# Altium PCB IPG.PcbDoc (part 9 of 10) (continued)
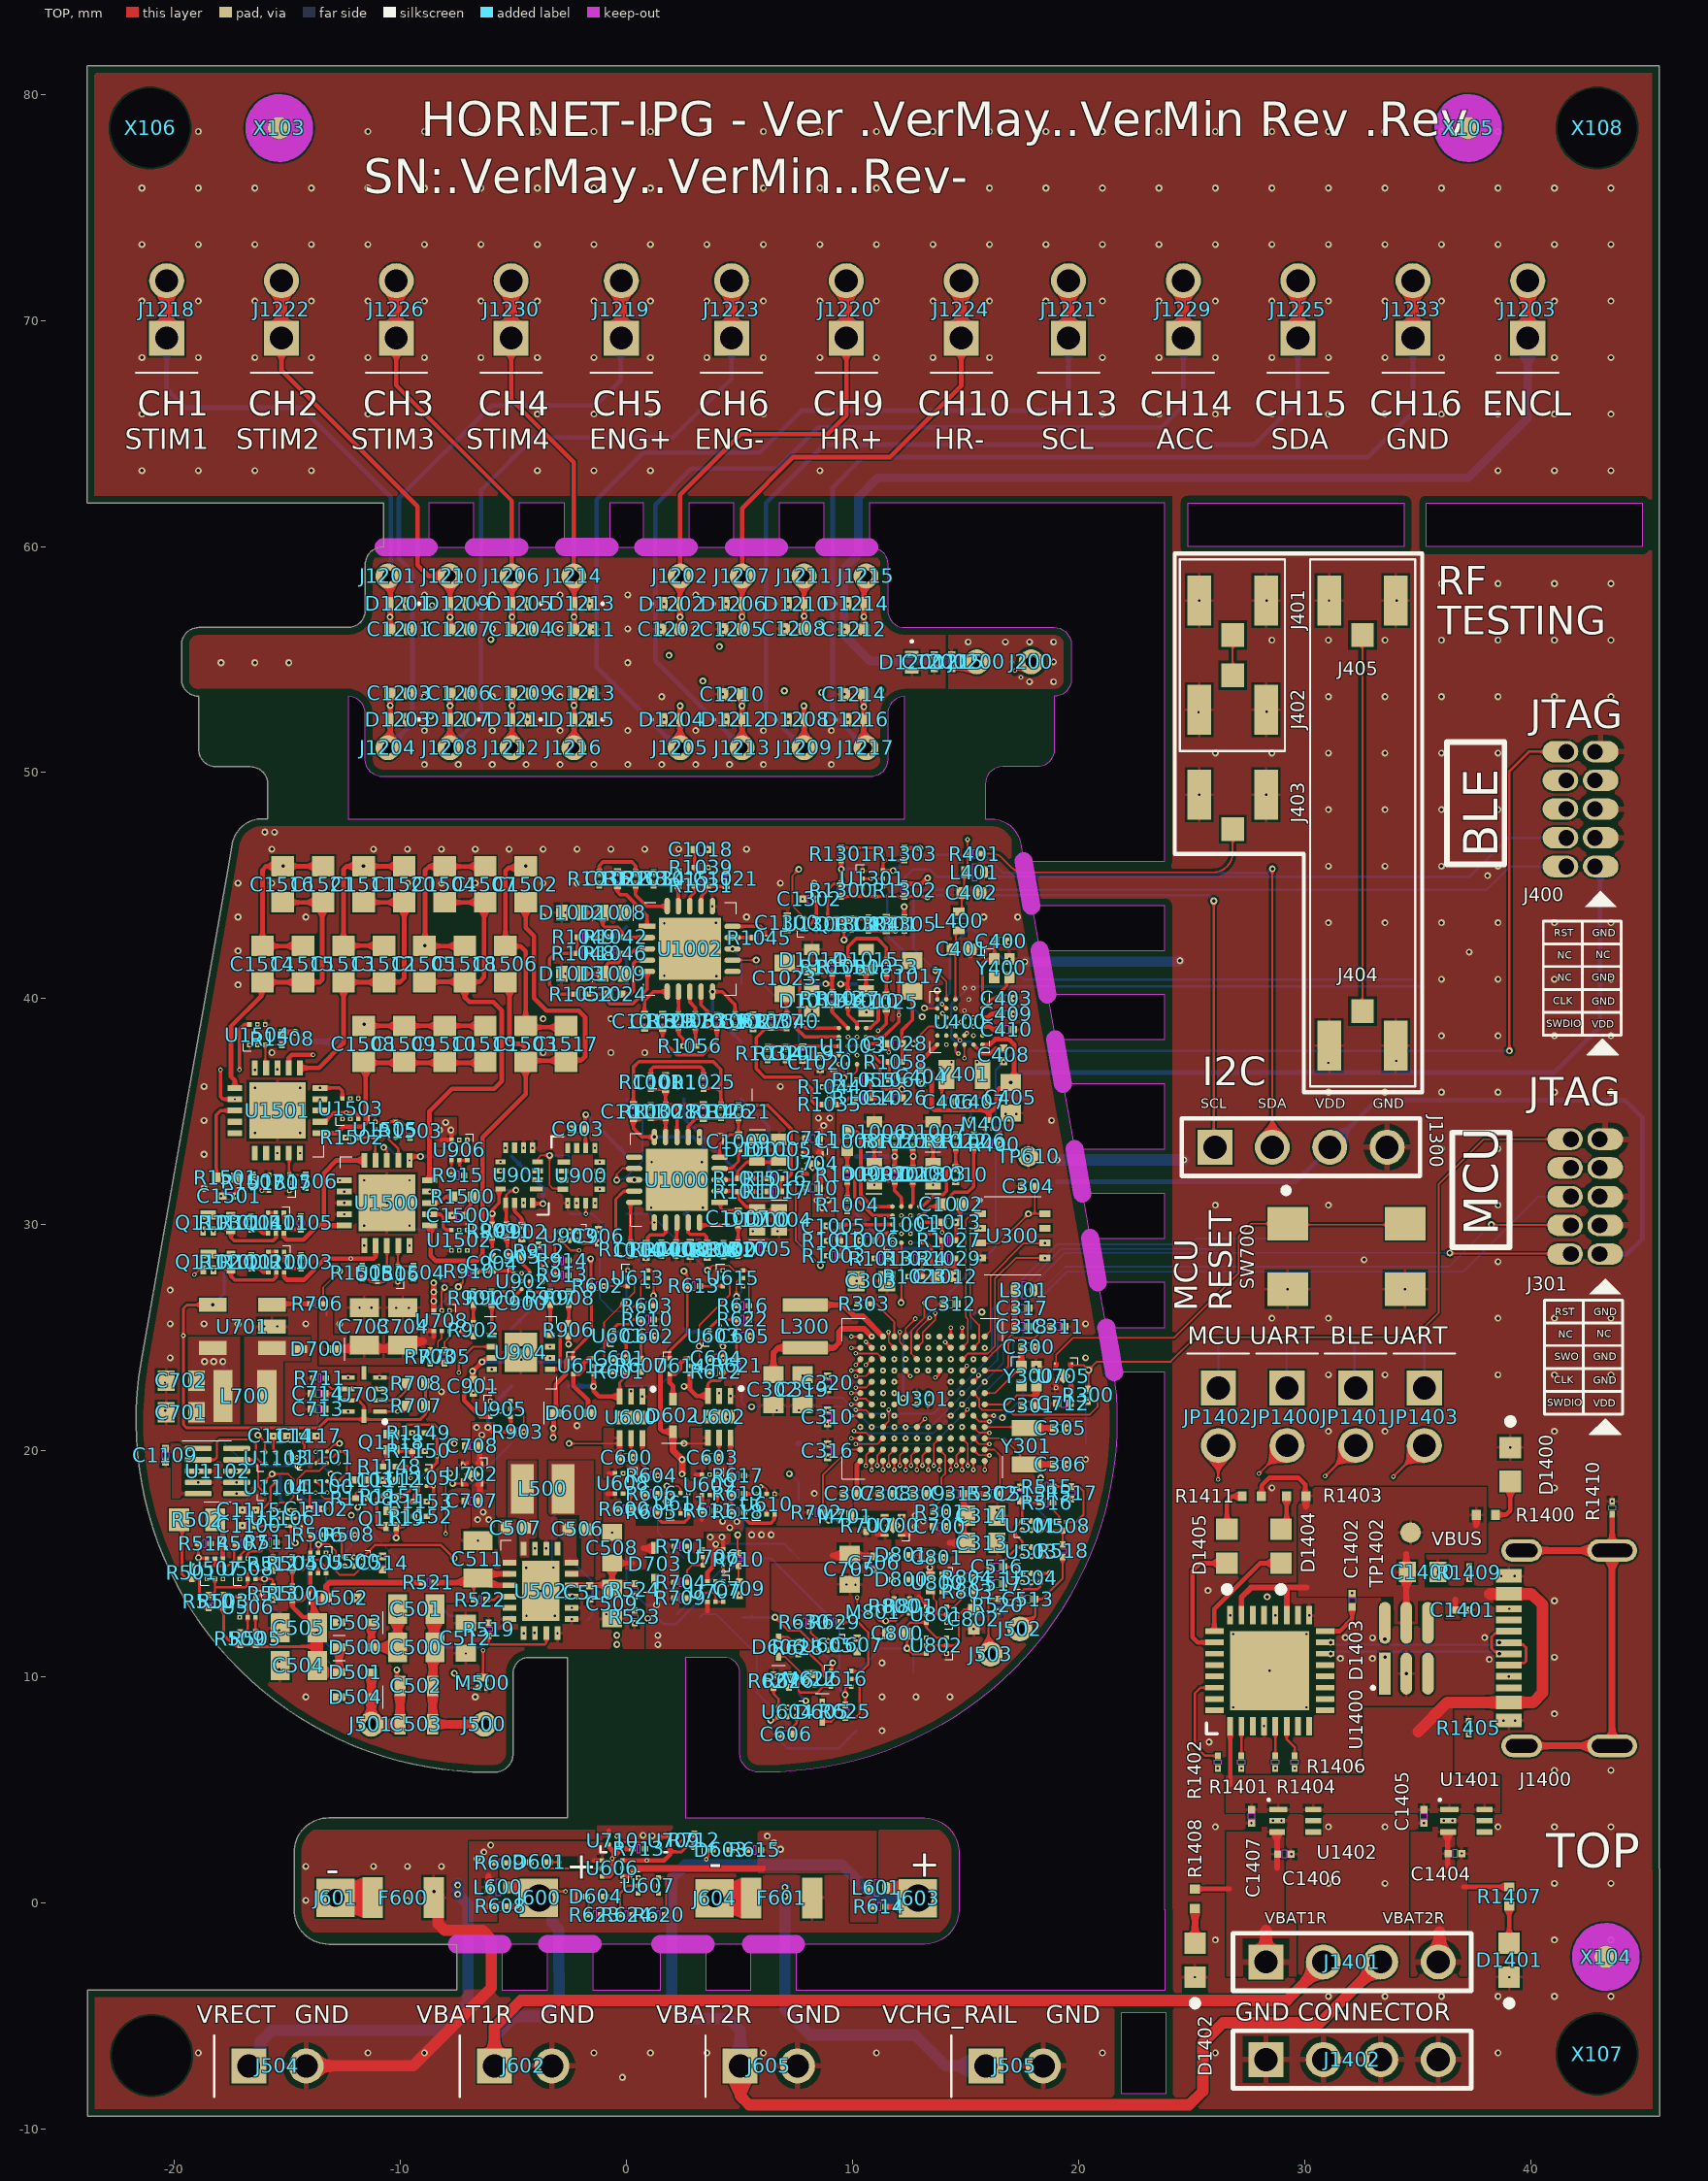
[diagram p0: TOP view]
## Nets (pads, with @x,y where several pads share a name; then routed paths per layer and width w, separated by ;. In a path a pad name is that pad's centre, name@x,y a point inside that pad or via, vN(x,y) a via of type N, cw(c..) or ccw(c..) an arc to the next point about the centre after c; other vN are vias at no path point) (continued)
STIMB: TP1501.1 U901.15 U1500.6 U1500.16 U1501.20 | length 20.5
  TOP w0.203: v1(-9.6,32.848) -9.6,32.992 -9.572,33.02 -9.119,33.02 v6(-9.116,33.017)
  DVERT w0.102: v2(-4.25,30.961) v3(-4.25,31.291)
  DVERT w0.203: v3(-14.138,32.84) v2(-14.138,33.171) ; v3(-11.295,28.751) v2(-11.295,29.082) ; v3(-9.905,32.521) v2(-9.905,32.852)
  AVERT w0.203: v8(-14.148,32.131) -14.143,32.136 -14.143,32.835 v3(-14.138,32.84) ; v3(-11.295,28.751) -10.863,29.183 -10.863,31.148 -9.931,32.08 -9.931,32.092 -9.916,32.108 v8@-9.905,32.108 ; v8(-9.906,32.131) v3(-9.905,32.521) ; v3(-4.25,31.291) -4.242,31.3 v8(-4.242,32.131)
  DHOR w0.102: v1(-4.555,30.965) -4.553,30.963 -4.253,30.963 v2@-4.251,30.961
  DHOR w0.203: v1(-14.443,33.167) -14.441,33.169 -14.142,33.169 v2@-14.14,33.171 ; v1(-11.6,29.078) -11.598,29.08 -11.299,29.08 v2(-11.295,29.082) ; v2@-9.904,32.852 -9.902,32.85 -9.602,32.85 v1(-9.6,32.848)
  AHOR w0.203: v8(-14.148,32.131) v8(-4.242,32.131)
  BOT w0.152: v6@-9.119,33.02 -7.832,33.02 -7.762,32.949 -7.691,33.02 TP1501.1@-7.62,33.02
STIMB_SEL: R1505.2 U1500.8 U1506.6 | length 2.7
  TOP w0.102: R1505.2@-11.691,27.604 -11.69,27.605 -11.451,27.605 -11.309,27.463 U1506.6@-11.016,27.463 -10.739,27.463 -10.6,27.601 U1500.8@-10.6,29.078
STIMB_SELn: U301.H11 U1506.2 | length 26.8
  TOP w0.076: v1(10.144,22.792) 10.151,22.799 10.599,22.799 U301.H11@10.85,23.05
  DVERT w0.076: v2(-10.066,23.124) -10.084,23.142 -10.084,27.516 v2(-9.789,27.811)
  DHOR w0.076: v1@-10.116,27.812 v2@-9.79,27.812 ; v2(-10.066,23.124) -10.057,23.132 6.829,23.132 7.486,23.789 9.141,23.789 9.6,23.33 v1@10.138,22.792
  other v1: -10.116,27.813
SW1_VCHG: C507.2 L500.1 U502.20
SW2_VCHG: C506.2 L500.2 U502.15
SWCLK: J301.4 TP301.1 U301.C11 | length 39.1
  TOP w0.076: v1(10.068,20.88) 10.102,20.88 10.181,20.801 10.599,20.801 U301.C11@10.85,20.55 ; v6(38.265,30.006) 38.282,29.989 41.766,29.989 J301.4@41.783,29.972
  DVERT w0.102: v2@10.417,20.669 v8(10.423,20.664) 10.423,20.363 v3@10.428,20.357
  AVERT w0.102: v8(10.423,20.664) 10.426,20.661 10.426,20.36 v3@10.428,20.357
  DHOR w0.076: v1(10.068,20.88) 10.254,20.694 10.394,20.694 v2(10.419,20.669)
  AHOR w0.102: v12(10.114,20.665) v8@10.422,20.664
  BOT w0.076: TP301.1@10.16,20.32 11.076,20.32 13.537,20.3 13.569,20.3 17.109,23.84 17.109,25.848 19.405,28.143 36.398,28.143 v6@38.265,30.01
  other v3: 10.419,20.333
SWDIO: J301.2 TP300.1 U301.C10 | length 49.4
  TOP w0.076: v1(10.141,20.3) 11.1,20.3 U301.C10@11.35,20.55 ; v6(36.424,28.749) 36.447,28.725 41.76,28.725 J301.2@41.783,28.702
  DHOR w0.076: v6(5.537,21.946) 6.177,21.946 6.602,21.52 9.154,21.52 9.399,21.276 9.399,20.795 9.6,20.594 9.894,20.3 v1(10.141,20.3)
  BOT w0.076: TP300.1@5.08,22.86 5.101,22.839 5.101,22.153 5.308,21.946 v6(5.537,21.946) 9.564,21.946 10.731,20.779 13.568,20.779 16.669,23.88 16.669,26.03 19.392,28.753 v6@36.424,28.753
SWO: J301.6 TP305.1 U301.C6 | length 37
  TOP w0.076: v1(13.35,20.55) U301.C6@13.358,20.55
  DVERT w0.076: v2(13.566,20.777) 13.591,20.753 13.777,20.753 13.854,20.676 15.841,20.676 16.6,21.434 v6(16.628,21.462)
  DHOR w0.076: v1(13.35,20.55) 13.351,20.556 v2@13.564,20.77
  BOT w0.076: TP305.1@15.24,20.32 15.24,20.337 16.35,21.447 16.55,21.447 16.6,21.497 v6@16.628,21.525 ; v6(16.628,21.462) 16.628,21.498 v6@16.628,21.525 ; J301.6@41.783,31.242 40.351,31.242 37.023,27.915 20.834,27.915 20.486,27.915 19.482,27.915 17.551,25.984 17.551,22.386 16.691,21.525 v6@16.628,21.525
SYS_RSTn: J301.10 R300.2 TP712.1 U301.G2 U705.1 | length 41.2
  TOP w0.076: U301.G2@15.35,22.55 15.601,22.299 15.601,21.941 15.741,21.8 16.9,21.8 17.1,21.6 20.5,21.6 20.84,21.94 20.84,22.61 20.669,22.78 R300.2@20.392,22.78 ; 19.739,23.781 20.238,23.781 v6(20.447,23.571) ; R300.2@20.417,22.78 20.447,22.81 v6(20.447,23.571) ; J301.10@41.783,33.782 37.922,33.782 35.941,31.801 35.941,26.111 34.849,25.019 25.159,25.019 24.081,23.941 20.817,23.941 v6(20.447,23.571)
  BOT w0.076: TP712.1@20.32,20.32 20.32,23.382 20.447,23.509 v6(20.447,23.571)
TEMP_EN: C515.2 C516.2 C517.2 R515.1 R516.2 TP508.1 U301.J3 U501.A2 U503.A2 U504.A2 | length 16.8
  TOP w0.102: U301.J3@14.85,23.55 14.896,23.55 15.031,23.685 15.031,23.69 15.062,23.722 v1(15.062,23.749) ; C517.2@16.683,14.122 C516.2@16.683,14.859 ; C515.2@17.45,17.785 C515.2@17.508,17.727 ; U504.A2@17.51,14.573 17.462,14.573 17.462,14.622 17.225,14.859 C516.2@16.683,14.859 ; R516.2@18.306,17.704 17.942,17.704 17.866,17.78 17.572,17.78 17.531,17.739 17.531,17.704 C515.2@17.508,17.727 ; R516.2@18.313,17.704 R515.1@18.313,18.415 ; R515.1@18.324,18.362 v6(18.324,18.797) ; C516.2@16.683,14.859 16.683,15.113 17.302,15.732 U503.A2@17.517,15.732 17.517,15.993 17.221,16.288 17.221,16.601 U501.A2@17.508,16.888 C515.2@17.508,17.727
  DVERT w0.102: v2(15.721,19.591) 16.516,18.797 v6(18.324,18.797)
  DHOR w0.102: v1(15.062,23.749) 15.062,23.339 15.721,22.68 v2(15.721,19.591)
  BOT w0.102: TP508.1@17.78,20.32 18.324,19.776 v6(18.324,18.797)
THERM.OFST: TP512.1 U301.H2 U504.A1 U504.C2 | length 18.3
  TOP w0.102: U301.H2@15.35,23.05 15.562,23.262 15.562,23.32 v1(15.581,23.339) ; v1(18.31,14.573) v6(18.745,14.573)
  DVERT w0.102: v3(15.921,22.952) 15.934,22.965 15.934,23.452 v2(15.947,23.465)
  AVERT w0.102: v8(15.717,14.855) 15.733,14.871 15.733,16.731 15.921,16.919 15.921,18.8 v3(15.921,22.952)
  DHOR w0.102: v1@15.588,23.339 15.714,23.465 v2(15.947,23.465) ; v1(17.51,14.173) 17.91,14.573 v1(18.31,14.573)
  AHOR w0.102: v8(15.717,14.855) 15.998,14.573 v6(18.745,14.573)
  BOT w0.102: TP512.1@15.24,12.7 16.561,12.7 18.434,14.573 v6(18.745,14.573)
THERM.OUT: TP511.1 U301.G3 U503.A1 U503.C2 | length 14.2
  TOP w0.102: U503.C2@18.32,15.731 v6(18.755,15.731)
  DVERT w0.102: v3@15.067,23.071 15.072,23.065 15.072,22.764 v2@15.078,22.759
  AVERT w0.102: v3(15.067,23.101) 15.241,22.927 15.241,18.8 v8(15.241,15.741)
  DHOR w0.102: v1@14.851,22.556 v1(14.85,22.55) 14.856,22.551 15.07,22.764 v2@15.075,22.764 ; v1@17.517,15.339 17.91,15.732 v1(18.317,15.732)
  AHOR w0.102: v8(15.241,15.741) 15.245,15.736 18.75,15.736 v6(18.755,15.731)
  BOT w0.102: TP511.1@17.78,15.24 18.271,15.731 v6(18.755,15.731)
  other v1: 17.51,15.332
  other v2: 15.077,22.766
THERM.REF: TP509.1 U301.F3 U501.A1 U501.C2 | length 12.3
  TOP w0.102: v1(18.308,16.888) U501.C2@18.325,16.905 ; U501.C2@18.311,16.887 v6(18.745,16.887)
  DVERT w0.102: v3@14.623,21.966 v2(14.623,22.266)
  AVERT w0.102: v3(14.613,21.935) 14.613,21.915 14.977,21.551 14.977,18.8 v8(14.977,16.878)
  DHOR w0.102: v2@14.63,22.264 14.844,22.051 v1@14.849,22.051 ; v1(17.517,16.486) 17.919,16.888 v1(18.308,16.888)
  AHOR w0.102: v8(14.977,16.878) 14.981,16.883 18.741,16.883 v6(18.745,16.887)
  BOT w0.102: TP509.1@17.78,17.78 17.816,17.78 18.709,16.887 v6(18.745,16.887)
  other v1: 14.85,22.05
THERM_IN: C513.2 J502.1 R518.2 U503.C1 | length 5.1
  TOP w0.102: J502.1@17.5,12.146 17.528,12.146 18.085,12.703 18.085,13.436 18.39,13.437 19.3,14.347 19.3,15.244 19.212,15.332 U503.C1@18.317,15.332
THERM_OFST_IN: C513.1 J503.1 R520.1 U504.C1 | length 5.3
  TOP w0.076: U504.C1@18.31,14.173 U504.C1@18.321,14.173
  TOP w0.102: J503.1@16.1,11 16.013,11.087 16.013,13.32 16.109,13.416 R520.1@16.434,13.416 ; R520.1@16.434,13.445 16.463,13.416 16.739,13.416 17.404,13.416 C513.1@17.425,13.437 ; C513.1@17.455,13.437 17.455,13.733 17.595,13.873 18.188,13.873 18.31,13.995 U504.C1@18.31,14.173
THERM_REF_IN: M508.3 R518.1 U501.C1 | length 1.7
  TOP w0.076: U501.C1@18.308,16.488 19.253,16.488 19.3,16.535 R518.1@19.3,15.894
UFL: J403.1 R401.1 | length 13
  TOP w0.084: R401.1@15.678,46.409 16.18,46.409 cw(c16.18,45.798) 16.612,46.23 17.043,45.799 ccw(c17.554,46.309) 17.554,45.587 25.953,45.587 ccw(c25.953,46.457) 26.822,46.457 J403.1@26.822,47.497
USB_N: D1403.6 J1400.A7 J1400.B7 U1400.15 | length 10.1
  TOP w0.11: J1400.B7@39.037,10.513 39.132,10.608 39.622,10.608 39.72,10.608 39.802,10.69 39.802,11.296 39.68,11.418 39.132,11.418 J1400.A7@39.037,11.513
  BOT w0.097: v11(31.153,11.518) 31.21,11.518 31.307,11.421 32.072,11.421 32.075,11.417 33.314,11.417 33.553,11.657 v11(33.553,11.659) 33.555,11.659 33.796,11.417 35.724,11.417 35.726,11.415 38.467,11.415 38.565,11.513 v11(38.621,11.513)
USB_P: D1403.1 J1400.A6 J1400.B6 U1400.14 | length 9.6
  TOP w0.11: v11(38.621,11.013) 38.526,11.108 38.424,11.108 38.278,11.254 38.278,11.772 38.424,11.918 38.942,11.918 J1400.B6@39.037,12.013
  BOT w0.097: v11(31.153,11.018) 31.21,11.018 31.307,11.116 31.945,11.116 31.948,11.112 33.314,11.112 v11(33.556,10.871) v11(33.556,10.871) 33.556,10.873 33.796,11.112 35.598,11.112 35.6,11.11 38.467,11.11 38.565,11.013 v11(38.621,11.013)
VBUFF_IN+: C905.1 R912.2 TP910.1 U902.A3 | length 5.6
  TOP w0.152: C905.1@-4.628,28.575 C905.1@-4.603,28.55 ; U902.A3@-4.288,27.847 -4.293,27.852 -4.293,27.966 -4.603,28.276 C905.1@-4.603,28.55 ; v6(-3.632,28.067) -3.854,28.289 -3.854,28.513 R912.2@-3.886,28.545 -4.598,28.545 C905.1@-4.603,28.55
  BOT w0.152: TP910.1@-5.08,25.4 -3.378,27.102 -3.378,27.813 v6(-3.632,28.067)
VBUFF_IN-: C904.1 R910.2 TP907.1 U902.A1 | length 3.1
  TOP w0.152: R910.2@-6.68,27.929 -6.643,27.965 v6(-6.298,27.965) -5.953,27.965 C904.1@-5.944,27.975 -5.934,27.965 -5.106,27.965 U902.A1@-4.988,27.847
  BOT w0.152: TP907.1@-7.62,27.94 -7.607,27.953 -6.311,27.953 v6(-6.298,27.965)
VCC_CHG: C512.1 R519.1 U502.5 U502.6
VCHG_DISABLE: M500.1 TP515.1 U301.E12 | length 32.3
  TOP w0.076: v1(9.951,21.55) U301.E12@10.35,21.55
  TOP w0.102: v6(-7.62,10.16) -6.976,9.516 M500.1@-6.55,9.516
  DVERT w0.076: v2(-8.061,21.973) -8.181,21.853 -8.181,10.721 v6(-7.62,10.16)
  DHOR w0.076: v2(-8.061,21.973) 5.113,21.973 5.415,22.276 9.055,22.276 9.781,21.55 v1(9.951,21.55)
VCHG_PGOOD: R523.1 R524.2 TP514.1 U301.E11 U502.13 | length 31.4
  TOP w0.076: R523.1@0.356,12.931 v1(0.356,13.565) ; v1(10.144,21.808) 10.151,21.801 10.599,21.801 U301.E11@10.85,21.55
  DVERT w0.076: v2@-2.87,22.19 -2.87,14.02 v6(-2.4,13.55)
  DHOR w0.076: v2(-2.871,22.191) -2.864,22.184 5.084,22.184 5.328,22.428 9.118,22.428 9.71,21.836 9.86,21.836 9.861,21.834 10.036,21.834 10.038,21.832 10.12,21.832 v1(10.144,21.808) ; v6(-2.4,13.55) -2.348,13.55 -2.241,13.657 0.247,13.657 0.354,13.55 v1@0.36,13.55
  BOT w0.076: TP514.1@-2.54,17.78 -3.302,17.018 -3.302,14.452 v6(-2.4,13.55)
VDAC1_BUF: Q1118.2 R1150.2 TP1105.1 U1105.B1 | length 5.3
  TOP w0.102: -9.842,19.989 -9.842,21.019 -9.703,21.158 -8.484,21.158 -7.645,20.32 v6(-7.624,20.32)
  TOP w0.152: Q1118.2@-10.177,20.039 -10.177,19.991 -10.175,19.989 -9.842,19.989 R1150.2@-9.527,19.989 ; R1150.2@-9.502,19.989 -9.487,19.974 -9.487,19.748 -9.202,19.464 U1105.B1@-9.202,19.139
VDAC2_BUF: Q1119.2 R1153.2 TP1109.1 U1105.B3 | length 8.2
  TOP w0.152: v6(-10.192,16.143) -10.189,16.147 Q1119.2@-10.189,16.643 ; Q1119.2@-10.189,16.648 -9.878,16.648 -9.789,16.738 -9.789,17.665 -9.699,17.754 R1153.2@-9.399,17.755 ; R1153.2@-9.399,17.755 -9.399,18.033 -9.207,18.225 -9.207,18.434 U1105.B3@-9.202,18.439
  BOT w0.102: v6(-10.192,16.143) -11.303,17.254 -11.303,19.177 TP1109.1@-10.16,20.32
VDACA: R1149.1 TP1104.1 U1103.4 U1105.A1 | length 13.9
  TOP w0.152: U1103.4@-15,19.931 -14.98,19.931 -14.765,19.716 -14.595,19.716 v1(-14.585,19.706) ; R1149.1@-8.922,20.789 -8.611,20.789 -8.38,20.558 v1(-8.38,19.763) -8.38,19.484 -8.719,19.144 -8.847,19.144 U1105.A1@-8.852,19.139
  DVERT w0.152: v2(-15.01,19.708) v3(-15.01,20.039) ; v2(-8.685,19.759) v3(-8.685,20.09)
  AVERT w0.152: v3(-15.01,20.039) -15.006,20.035 v8@-15.006,19.706 ; v8(-15.002,19.702) -15.01,19.702 -15.002,19.694 -15.002,19.338 -14.892,19.229 -14.892,19.226 -14.694,19.028 v8(-14.694,19.018) ; v8(-8.687,19.71) v3@-8.687,20.091
  DHOR w0.152: v2@-14.996,19.711 -14.993,19.707 -14.586,19.707 v1(-14.585,19.706) ; v2(-8.685,19.759) -8.682,19.761 -8.382,19.761 v1(-8.38,19.763)
  AHOR w0.152: v12(-15.239,19.014) -15.237,19.016 -14.696,19.016 v8(-14.694,19.018) ; v8(-15.002,19.702) -14.997,19.706 -8.691,19.706 v8(-8.687,19.71)
  BOT w0.152: TP1104.1@-15.24,17.78 -15.26,17.8 -15.316,17.856 -15.316,18.923 -15.239,19 v12(-15.239,19.014)
VDACB: R1152.1 TP1107.1 U1104.4 U1105.A3 | length 13.1
  TOP w0.152: U1105.A3@-8.852,18.439 -8.536,18.439 v1(-8.534,18.437) -8.534,17.232 -8.623,17.143 -8.79,17.143 R1152.1@-8.839,17.094
  DVERT w0.102: v3(-8.839,18.11) v2(-8.839,18.441)
  DVERT w0.152: v3(-14.877,18.214) -14.838,18.253 -14.838,18.459 -14.696,18.6 v2@-14.696,18.629
  AVERT w0.152: v3(-14.877,18.214) -14.838,18.253 -14.838,18.449 -14.691,18.596 v8(-14.691,18.623) ; v8(-8.847,18.618) -8.843,18.614 -8.843,18.114 v3(-8.839,18.11)
  DHOR w0.102: v2@-8.837,18.441 -8.835,18.439 -8.536,18.439 v1(-8.534,18.437)
  DHOR w0.152: v12(-15,18.625) v12(-15,18.625) -14.698,18.627 v2@-14.696,18.629
  AHOR w0.152: v12@-14.999,18.624 v8(-14.691,18.623) ; v8(-14.691,18.623) -8.852,18.623 v8(-8.847,18.618)
  BOT w0.152: v12(-15,18.625) -14.732,18.357 -14.732,18.348 -14.164,17.78 TP1107.1@-12.7,17.78
  other v1: -15,18.625
  other v2: -14.695,18.629
VDD11: C302.2 L300.1 U301.B4 U301.M11 | length 14.5
  TOP w0.254: C302.2@6.5,23.375 6.5,24.34 6.712,24.551 L300.1@7.912,24.552 ; L300.1@7.912,24.552 9.178,24.551 9.398,24.771 9.398,25.251 9.547,25.4 10.511,25.4 10.842,25.069 10.842,25.062 10.847,25.057 U301.M11@10.85,25.057
  DHOR w0.152: v1(10.85,25.05) 10.85,23.449 10.594,23.194 10.594,20.917 11.236,20.275 12.935,20.275 13.159,20.05 v1(14.35,20.05)
VDDA_EN: TP714.1 U301.K9 U704.3 | length 15.4
  TOP w0.076: 7.928,32.271 7.862,32.338 U704.3@7.786,32.338 7.605,32.338 7.493,32.226 7.493,29.286 8.055,28.724 v6(8.585,28.194) ; v1(11.849,24.052) v1(11.849,24.052)
  DVERT w0.076: v2(11.622,24.269) 11.622,24.287 11.532,24.377 11.532,28.218 11.676,28.362 v2(11.676,28.379)
  DHOR w0.076: v6(8.585,28.194) 8.598,28.181 10.971,28.181 11.168,28.379 v2(11.676,28.379) ; v2@11.624,24.267 11.629,24.267 11.842,24.053 v1@11.848,24.053
  BOT w0.076: TP714.1@7.62,30.48 7.62,29.083 8.043,28.66 8.119,28.66 v6(8.585,28.194)
VDDS_EN: TP713.1 U301.A4 U702.3 | length 29.6
  TOP w0.076: v6(-7.692,18.55) -7.294,18.55 -7.277,18.568 U702.3@-7.277,18.599 ; v1(14.35,19.151) U301.A4@14.35,19.55
  DVERT w0.076: v2(-7.722,16.688) -7.707,16.702 -7.707,18.536 v6(-7.692,18.55)
  DHOR w0.076: v2(-7.722,16.688) -7.698,16.664 2.249,16.664 2.984,17.399 5.339,17.399 5.82,16.918 8.377,16.918 8.858,17.399 12.628,17.399 14.029,18.8 14.35,19.121 v1(14.35,19.151)
  BOT w0.076: v6(-7.692,18.55) -7.684,18.542 -6.873,18.542 TP713.1@-5.095,20.32
VDDSMPS: R303.1 U301.M9 | length 2.1
  TOP w0.076: R303.1@10.78,26.5 11.058,26.5 11.758,25.8 11.85,25.708 U301.M9@11.85,25.05
VDET: R509.2 R511.1 U506.2 U506.5 U508.5 | length 4.9
  TOP w0.102: R509.2@-17.094,11.964 -17.094,12.047 -17.019,11.972 -16.911,11.972 -16.767,12.117 U506.5@-16.767,12.638 v1(-16.767,13.538) ; v1(-16.764,15.233) -16.764,15.437 -16.643,15.558 -16.172,15.558 -16.051,15.678 R511.1@-16.051,15.951
  DHOR w0.102: v1(-16.767,13.538) -16.765,13.539 v1(-16.764,15.233) v1(-16.764,15.233)
VDIF_IN+: R907.1 U902.B3 U902.C3 | length 1.3
  TOP w0.152: U902.B3@-4.288,27.497 U902.C3@-4.288,27.147 -4.16,27.019 R907.1@-3.413,27.019
VDIF_IN-: R900.1 U902.B1 U902.C1 | length 1.3
  TOP w0.152: R900.1@-5.863,27.03 -5.105,27.03 U902.C1@-4.988,27.147 U902.B1@-4.988,27.497
VIMC_IN+: R911.2 TP909.1 U901.13 | length 5
  TOP w0.102: U901.13@-5.353,30.963 -5.319,30.997 -5.319,31.31 -5.137,31.492 -4.93,31.492 v6(-4.891,31.531)
  TOP w0.152: U901.13@-5.325,30.934 -5.325,30.014 R911.2@-5.309,29.998
  BOT w0.102: TP909.1@-7.62,30.48 -6.569,31.531 v6(-4.891,31.531)
VIMC_IN-: R909.2 TP908.1 U901.12 | length 6.6
  TOP w0.152: R909.2@-5.944,29.998 -5.944,30.658 -5.639,30.963 -5.639,31.545 -5.602,31.581 U901.12@-5.572,31.581
  BOT w0.102: TP908.1@-10.16,30.48 -9.474,29.794 -6.552,29.794 -5.944,30.403 -5.944,30.485 v6(-5.941,30.488)
VLXSMPS: L300.2 U301.M10 | length 4
  TOP w0.254: L300.2@7.912,26.452 9.573,26.452 10.066,25.959 10.441,25.959 U301.M10@11.35,25.05
VNSb_EN: TP1115.1 U301.A3 U1106.1 | length 34.8
  TOP w0.076: U1106.1@-14.859,16.668 -14.859,16.127 v6(-14.658,15.926) ; v1(14.85,19.151) U301.A3@14.85,19.55
  DHOR w0.076: v6(-14.658,15.926) -14.003,15.271 -12.899,15.271 -12.549,15.622 -5.14,15.622 -4.978,15.459 3.953,15.459 4.47,15.977 13.039,15.977 13.868,16.806 13.868,17.508 14.189,17.828 14.694,17.828 14.85,17.984 v1(14.85,19.151)
  BOT w0.076: TP1115.1@-15.24,15.24 -15.24,15.292 -14.658,15.874 v6(-14.658,15.926)
VOVP: R510.2 R512.1 U507.2 U508.2 | length 4.1
  TOP w0.102: R510.2@-18.491,13.615 -18.431,13.675 -18.297,13.675 -18.212,13.76 -18.212,13.97 ; U507.2@-18.212,14.333 -18.212,13.97 ; R512.1@-15.646,14.706 -16.622,14.706 -16.764,14.564 U508.2@-16.764,14.333 -16.764,14.067 -16.861,13.97 -18.212,13.97
VPP_FB: R706.1 U701.3 U703.6 | length 6.7
  TOP w0.203: U701.3@-15.69,26.45 -15.64,26.5 v1(-13.98,26.5) ; v1(-12.316,23.234) U703.6@-12.316,23.266
  DVERT w0.203: v3(-13.675,26.173) v2(-13.675,26.504) ; v2(-12.621,23.23) v3(-12.621,23.561)
  AVERT w0.203: v3(-13.675,26.173) -13.67,26.168 -13.67,23.906 v8(-13.665,23.901) ; v8(-12.625,23.901) -12.623,23.899 -12.623,23.563 v3(-12.621,23.561)
  DHOR w0.203: v1@-13.978,26.502 -13.678,26.502 v2(-13.675,26.504) ; v2@-12.619,23.23 -12.617,23.232 v1(-12.316,23.234) v1(-12.316,23.234)
  AHOR w0.203: v8(-13.665,23.901) v8(-12.625,23.901)
VPPSW_EN: TP707.1 U301.K12 U708.2 | length 26.5
  TOP w0.076: v1(-8.179,26.206) -8.179,27.04 -8.052,27.167 v6(-8.052,27.229) ; v1(10.142,23.799) 10.35,24.007 U301.K12@10.35,24.05
  DVERT w0.076: v2(-8.522,24.168) -8.515,24.175 -8.515,26.195 v2(-8.509,26.201)
  DHOR w0.076: v2(-8.522,24.168) -6.789,24.168 -6.58,24.377 -6.208,24.377 -5.422,23.59 -2.819,23.59 -2.444,23.965 -1.311,23.965 -0.936,23.59 1.448,23.59 1.823,23.965 2.957,23.965 3.331,23.59 6.603,23.59 7.27,24.257 9.321,24.257 9.6,23.978 9.78,23.799 9.951,23.799 v1(10.142,23.799) ; v2(-8.509,26.201) -8.506,26.203 -8.181,26.203 v1(-8.179,26.206)
  BOT w0.076: TP707.1@-10.16,27.94 -8.519,27.94 -8.052,27.473 v6(-8.052,27.229)
VRECT.DETn: R513.2 TP505.1 U301.E10 U508.3 | length 39.2
  TOP w0.102: U508.3@-16.414,14.333 U508.3@-16.414,14.333 v6@-16.019,14.334 ; R513.2@-15.646,13.971 -15.646,14.273 -15.708,14.335 v6(-16.018,14.335) ; v6@-16.019,14.334 v6(-16.018,14.335)
  DVERT w0.076: v2(10.884,13.297) 10.884,18.8 10.884,21.087 10.928,21.132 10.931,21.132 11.058,21.259 v2(11.093,21.259)
  DHOR w0.076: v6(-16.018,14.335) -15.732,14.048 -4.391,14.048 -3.927,13.584 -2.874,13.584 -2.549,13.909 3.77,13.909 4.382,13.297 v2(10.884,13.297) ; v2(11.093,21.259) 11.093,21.276 11.349,21.532 v1@11.349,21.549
  BOT w0.102: v6(-16.018,14.335) -16.018,13.921 -16.06,13.879 -16.06,13.52 TP505.1@-15.24,12.7
  other v1: 11.35,21.55
VRECT.MON: TP504.1 U301.M3 U500.A1 U500.C2 | length 41.8
  TOP w0.102: v1(-11.665,15.284) U500.A1@-11.665,15.291 -11.132,15.824 -8.204,15.824 v6(-7.62,15.24) ; U301.M3@14.85,25.05 v1@14.85,25.452
  DVERT w0.102: v2(15.099,25.216) v3@15.099,25.584
  AVERT w0.102: v3(15.094,25.559) 15.099,25.559 15.099,25.554 16.524,24.13 16.524,21.845 16.276,21.597 16.276,18.8 16.276,16.656 16.359,16.573 16.359,15.886 16.357,15.884 16.357,15.159 v8(16.366,15.15)
  DHOR w0.102: v1(-12.465,14.891) -12.058,14.891 v1(-11.665,15.284) v1@-11.665,15.291 ; v1@14.85,25.446 v1(14.85,25.449) 14.857,25.449 15.09,25.216 v2(15.099,25.216)
  AHOR w0.102: v6(-7.62,15.24) 16.248,15.24 16.338,15.15 v8(16.366,15.15)
VRECT.MON_EN: C514.2 TP503.1 U301.B11 U500.A2 U505.2 | length 39.5
  TOP w0.076: U505.2@-13.64,15.487 -13.634,15.493 -13.634,15.853 v6(-13.627,15.859) ; v6@-13.633,15.863 -13.619,15.877 -13.175,15.877 -12.857,15.559 -12.857,14.664 -12.705,14.513 -12.043,14.513 U500.A2@-11.665,14.891 -11.511,14.737 C514.2@-10.795,14.737 ; v1@10.599,19.351 10.599,19.799 U301.B11@10.85,20.05
  DVERT w0.076: v2(-3.489,15.975) v2(-3.489,19.279)
  DHOR w0.076: v6(-13.627,15.859) -13.61,15.877 -10.303,15.877 -10.231,15.805 -5.235,15.805 -5.069,15.971 -3.492,15.971 v2(-3.489,15.975) ; v2(-3.489,19.279) -3.475,19.292 10.507,19.292 10.559,19.344 v1@10.592,19.344
  BOT w0.076: v6(-13.627,15.859) -13.645,15.859 -14.1,15.404 -14.1,11.56 TP503.1@-12.7,10.16
  other v1: 10.596,19.326
VRECT.OVPn: R514.2 TP506.1 U301.F11 U507.6 | length 40.9
  TOP w0.076: v1(10.144,22.308) 10.151,22.301 10.599,22.301 U301.F11@10.85,22.05
  TOP w0.102: R514.2@-18.989,15.967 -18.945,15.922 -18.945,15.272 v6(-18.938,15.265) ; v6@-18.938,15.249 -18.578,15.249 U507.6@-18.562,15.233
  DVERT w0.076: v6(-18.938,15.265) -19.317,15.265 -19.837,15.785 -19.837,20.872 v2(-18.386,22.323)
  DHOR w0.076: v2(-18.386,22.323) -18.376,22.312 -11.623,22.312 -11.494,22.441 -11.484,22.45 -10.826,22.45 -10.692,22.316 -6.219,22.316 -6.12,22.415 0.41,22.415 0.614,22.62 1.18,22.62 1.463,22.337 4.206,22.337 4.515,22.645 5.276,22.645 5.491,22.86 8.208,22.86 8.428,23.08 9.043,23.08 9.84,22.284 10.12,22.284 v1(10.144,22.308)
  BOT w0.102: v6(-18.938,15.265) -18.926,15.253 -17.793,15.253 TP506.1@-17.78,15.24
VRECT_MON_IN: R506.2 R508.2 TP513.1 U500.C1 | length 5.7
  TOP w0.1: R506.2@-13.351,16.256 -13.314,16.293 -13.01,16.293 v6(-12.998,16.306) ; v6@-12.998,16.282 -12.997,16.284 R508.2@-12.571,16.284 ; R508.2@-12.599,16.18 -12.599,15.429 -12.465,15.295 U500.C1@-12.465,15.291
  BOT w0.1: v6(-12.998,16.306) -12.998,16.266 -13.29,15.974 -13.29,13.29 TP513.1@-12.7,12.7
VS2_CHG: R519.2 U502.9 | length 3.3
  TOP w0.1: R519.2@-6.1,11.775 -6.1,11.489 -6.041,11.43 -3.624,11.43 -3.55,11.504 U502.9@-3.55,11.925
XL_ACC: C1210.2 C1301.2 D1212.2 J1213.1 J1229.1 J1229.2 R1304.2 | length 67.5
  TOP w0.2: J1213.1@5.114,51.097 v9(5.114,52.953) C1210.2@5.114,53.535 ; R1304.2@10.7,43.02 10.713,43.007 11.493,43.007 C1301.2@11.5,43 11.507,43.007 11.885,43.007 v6(11.894,43.016)
  TOP w0.5: J1229.1@24.638,69.222 J1229.2@24.638,71.762
  GND 2 w0.2: v9(5.114,52.953) 5.114,53.973 cw(c5.448,53.973) 5.448,54.306 11.971,54.306 cw(c11.971,53.377) 12.9,53.377 ; v3(12.62,46.863) 12.9,47.143 12.9,53.373
  AVERT w0.2: v3(12.62,46.863) 12.6,46.843 12.6,46.769 12.595,46.763 12.595,44.252 12.651,44.196 v8(12.651,43.014)
  AHOR w0.2: v6(11.894,43.016) 11.941,43.016 11.942,43.017 12.647,43.017 v8@12.65,43.014
  BOT w0.2: J1213.1@5.114,51.097 5.114,51.139 5.073,51.139 1.27,54.942 1.27,61.849 2.87,63.449 6.655,63.449 8.484,65.278 18.93,65.278 21.7,65.278 23.673,65.278 24.638,66.243 J1229.1@24.638,69.222
XL_GND: C1214.2 C1301.1 D1216.2 J1217.1 J1233.1 J1233.2 R1305.2 | length 62.1
  TOP w0.2: J1217.1@10.357,51.34 ccw(c10.6,51.34) J1217.1@10.39,51.218 ; C1214.2@10.497,53.467 10.502,53.467 D1216.2@10.502,52.345 10.49,52.345 10.49,51.208 ccw(c10.6,51.208) J1217.1@10.6,51.097
  TOP w0.203: C1301.1@11.5,43.6 11.5,43.615 11.525,43.59 R1305.2@12.29,43.59 ; v6(12.29,44.067) 12.295,44.062 12.295,43.588 R1305.2@12.294,43.586
  TOP w0.5: J1233.1@34.798,69.222 J1233.2@34.798,71.762
  POWER w0.2: v9(10.497,52.917) 10.497,53.467 10.491,53.467 10.491,53.842 cw(c10.758,53.842) 10.758,54.109 11.969,54.109 cw(c11.969,53.377) 12.7,53.377 12.7,47.549 v7(12.294,47.142)
  AVERT w0.2: v6(12.29,44.067) 12.292,44.069 12.292,47.14 v7(12.294,47.142)
  AHOR w0.2: v6(12.29,44.067) v6@12.292,44.064
  BOT w0.2: J1217.1@10.6,51.097 9.125,52.573 9.125,62.617 10.465,63.957 32.817,63.957 34.798,65.938 J1233.1@34.798,69.222
XL_SCL: D1204.2 J1205.1 J1221.1 J1221.2 R1302.2 | length 64.8
  TOP w0.2: J1205.1@2.371,51.097 2.367,51.102 2.367,52.341 D1204.2@2.363,52.345 2.369,52.351 2.369,53.027 v9@2.375,53.033 ; R1302.2@12.3,45.08 13.04,45.08 13.299,45.339 v6(13.327,45.339)
  TOP w0.5: J1221.1@19.558,69.222 J1221.2@19.558,71.762
  GND 2 w0.2: v9@2.375,53.033 2.375,54.147 cw(c2.992,54.086) 2.992,54.706 11.971,54.706 cw(c11.971,53.382) 13.295,53.382 13.295,53.373 13.295,51.348 13.295,47.957 13.295,46.847 13.346,46.796 13.346,45.357 v6(13.327,45.339)
  BOT w0.2: J1205.1@2.371,51.097 2.243,51.097 -1.321,54.661 -1.321,59.975 -1.321,59.977 -1.321,62.078 -0.338,63.06 0.622,64.021 0.762,64.16 5.893,64.16 7.747,66.015 18.93,66.015 19.152,66.015 19.558,66.421 J1221.1@19.558,69.222
  other v9: 2.375,52.953
XL_SDA: D1208.2 J1209.1 J1225.1 J1225.2 R1303.2 | length 59.3
  TOP w0.2: J1209.1@7.563,51.391 ccw(c7.857,51.391) 7.585,51.28 ccw(c7.857,51.391) 7.857,51.097 7.86,51.099 7.86,52.343 D1208.2@7.862,52.345 7.855,52.351 7.855,52.952 v9@7.849,52.959 ; R1303.2@12.323,46.693 12.323,46.669 12.325,46.667 12.968,46.667 v11(12.982,46.653)
  TOP w0.5: J1225.1@29.707,69.222 J1225.2@29.707,71.762
  POWER w0.2: v9@7.849,52.959 7.857,52.968 7.857,54.108 cw(c8.256,54.108) 8.256,54.506 11.971,54.506 cw(c11.971,53.381) 13.096,53.384 13.096,46.796 12.982,46.682 v11(12.982,46.653)
  BOT w0.2: J1209.1@7.857,51.097 7.805,51.097 6.172,52.73 6.172,58.471 6.172,59.974 6.172,61.925 8.763,64.516 18.93,64.516 21.7,64.516 27.788,64.516 29.707,66.436 J1225.1@29.707,69.222
  other v9: 7.849,52.953
pads on no net: D1403.3 D1403.4 J301.7 J301.8 J400.6 J400.7 J400.8 J1400.A8 J1400.B8 U300.7 U301.C4 U301.D5 U301.F2 U301.F4 U301.G11 U301.H3 U301.H10 U301.H12 U301.K5 U301.L5 U301.M2 U301.M5 U400.A5 U400.F4 U400.F5 U400.G3 U400.G5 U500.B2 U501.B2 U502.17 U503.B2 U504.B2 U604.B2 U605.B2 U607.3 U607.4 U607.5 U703.5 U800.1 U900.1 U900.2 U900.3 U900.15 U900.16 U901.1 U901.2 U901.3 U901.7 U903.B2 U1000.11 U1002.11 U1102.10 U1103.3 U1104.3 U1106.5 U1400.3 U1400.7 U1400.8 U1400.9 U1400.10 U1400.11 U1400.12 U1400.13 U1400.18 U1400.21 U1400.22 U1400.27 U1400.28 U1400.29 U1400.31 U1400.32 U1401.4 U1401.5 U1402.4 U1402.5 U1501.14 U1501.15 U1501.16 U1501.17 X100.Fid X101.Fid X102.Fid X103.Fid X104.Fid X105.Fid X106.1 X107.1 X108.1 Y300.2 Y400.2

## Polygon pours and split planes (outlines as drawn)
GND on TOP "NONET_L-01_P-001" (solid, remove dead copper, pour order 358): -21.565,5.156 -4.42,5.156 -4.42,11.227 5.004,11.227 5.004,5.004 19.202,5.004 19.202,12.751 22.149,12.751 22.149,23.26 21.092,23.26 17.043,46.111 17.043,47.626 -21.565,47.626 -21.565,16.535
GND on TOP "NONET_L-01_P-001" (solid, remove dead copper, pour order 366): -14.529,-1.295 -14.529,3.234 14.529,3.234 14.529,-1.295
+V_UNREG on TOP "NONET_L-01_P-001" (solid, pour order 228): 6.325,15.526 5.299,15.526 5.299,13.047 2.328,13.047 2.328,16.016 1.719,16.016 1.719,14.732 0.864,14.732 0.864,12.112 0.864,11.227 6.325,11.227
+VBUS on TOP "NONET_L-01_P-001" (solid, remove dead copper, pour order 370): 33.969,12.325 35.001,12.325 35.001,13.36 36.22,13.36 36.22,12.573 36.246,12.548 36.982,12.548 37.008,12.573 37.008,13.259 37.683,13.259 37.693,13.261 39.726,13.261 39.726,13.945 37.683,13.945 36.906,13.945 35.306,13.945 35.306,15.494 38.024,15.494 38.049,15.519 38.049,18.39 29.723,18.39 29.723,13.564 33.956,13.564
GND on TOP "NONET_L-01_P-001" (solid, remove dead copper, pour order 383): 14.233,53.705 14.233,56.09 20.447,56.09 20.447,53.705
ENCL on TOP "ENCL_L01_P187" (solid, remove dead copper, pour order 187): -16.68,59.493 14.122,59.493 14.122,49.808 -18.088,49.808 -19.68,51.399 -19.68,56.493
GND on TOP "NONET_L-01_P-001" (solid, remove dead copper, pour order 377): -23.876,-9.449 -23.876,-3.852 -23.851,-3.826 24.154,-3.826 24.154,44.104 17.925,44.104 17.578,46.071 24.154,46.071 24.154,62.256 -23.902,62.256 -23.902,81.28 -23.876,81.305 45.72,81.305 45.745,81.28 45.745,-9.449 45.72,-9.474
+VMAGNET on TOP "NONET_L-01_P-001" (solid, remove dead copper, pour order 343): 11.503,13.31 12.734,13.31 13.027,13.31 13.027,14.021 13.159,14.153 13.646,14.153 13.646,15.723 12.15,15.723 12.15,14.212 11.503,13.566
+HVIN on TOP "NONET_L-01_P-001" (solid, pour order 360): 4.599,15.331 4.599,16.383 3.553,16.383 3.553,15.331
+VDDA on TOP "NONET_L-01_P-001" (solid, pour order 349): 9.221,32.777 9.221,34.956 8.23,34.956 8.23,33.177 8.63,32.777
+V_UNREG on TOP "NONET_L-01_P-001" (solid, pour order 347): 8.63,32.577 9.221,32.577 9.221,30.337 8.23,30.337 8.23,32.177
+VIMP_PP on TOP "NONET_L-01_P-001" (solid, pour order 346): -7.508,33.411 -8.498,33.411 -8.498,34.747 -7.508,34.747
+VCHG_RAIL on TOP "TOP-VCHG_RAIL" (solid, remove dead copper, pour order 345): -0.072,16.806 -1.016,16.806 -1.016,18.313 -0.356,18.313 -0.356,17.932 -0.26,17.842 -0.26,17.171 0.4,17.171 0.4,16.674 2.961,16.674 2.955,18.228 3.705,18.228 3.705,17.054 5.129,17.054 5.129,16.434 3.397,16.434 3.397,16.1 0.889,16.1 0.889,15.062 0.889,14.757 -0.072,14.757
+VBAT1F on TOP "NONET_L-01_P-001" (solid, pour order 329): -5.72,-0.829 -5.701,2.062 -2.148,2.062 -2.148,1.785 -0.985,1.774 -0.974,2.707 -6.96,2.707 -6.96,-0.829
NetR701_2 on TOP "NONET_L-01_P-001" (solid, pour order 327): 3.519,15.46 3.519,15.977 2.486,15.977 2.486,15.46 2.906,15.46
+V_UNREG on TOP "TOP-V_UNREG" (solid, pour order 325): 11.7,15.1 11.7,16.3 11.4,16.6 5.299,16.6 5.299,15.1